# KiCad board coils_12_35_10_8_layer.kicad_pcb (continued)
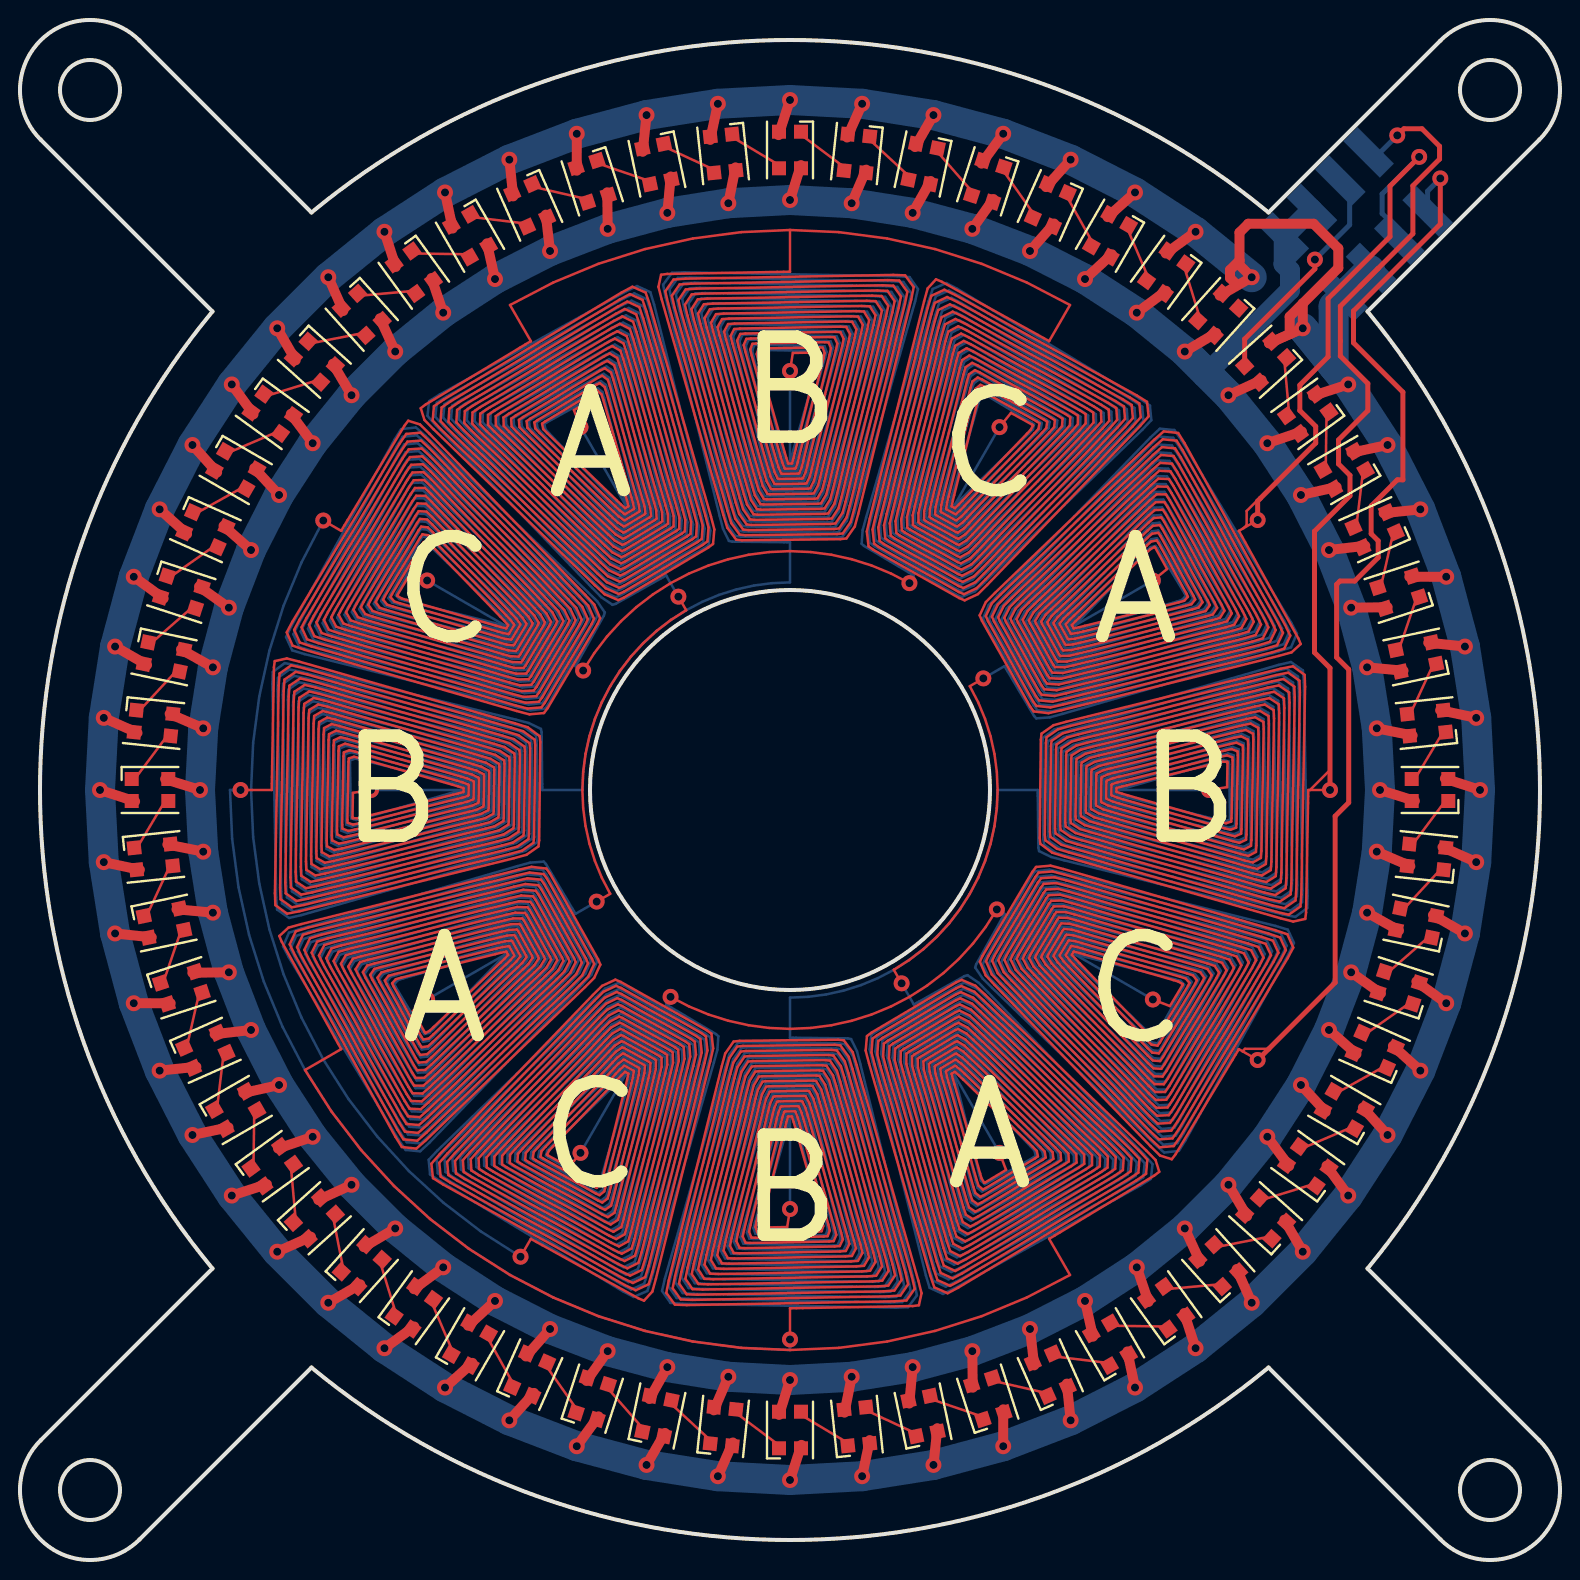
[diagram p0: board, top side]
## Routing (per net, layer and track width the routed paths; a pad name or vN(x,y) marks a point on that pad's centre or on a via; arc(x,y) is an arc through that point) (continued)
  In1.Cu w0.127: v1(48.98,56.64) 46.73,52.75 46.73,52.74 46.74,52.75 46.93,52.93 47.12,53.12 50.45,56.34 50.64,56.53 50.7,56.79 50.58,56.87 48.34,58.22 48.2,58.29 48.01,58.1 47.92,57.84 46.58,53.18 46.5,52.91 46.44,52.64 46.45,52.61 46.74,52.44 46.77,52.44 46.98,52.63 47.2,52.84 50.83,56.35 51.04,56.56 51.09,56.85 50.94,56.95 48.24,58.58 48.08,58.66 47.85,58.47 47.75,58.18 46.29,53.11 46.21,52.81 46.16,52.51 46.18,52.48 46.74,52.15 46.79,52.14 47.04,52.33 47.27,52.55 51.21,56.36 51.43,56.59 51.48,56.91 51.3,57.03 48.14,58.94 47.95,59.03 47.69,58.83 47.59,58.52 46.01,53.04 45.92,52.72 45.87,52.38 45.92,52.34 46.75,51.85 46.81,51.83 47.09,52.03 47.34,52.27 51.59,56.38 51.83,56.62 51.86,56.97 51.66,57.11 48.04,59.29 47.83,59.4 47.53,59.19 47.42,58.86 45.72,52.97 45.63,52.62 45.59,52.26 45.65,52.2 46.75,51.55 46.83,51.52 47.15,51.73 47.42,51.99 51.97,56.39 52.22,56.65 52.25,57.04 52.02,57.19 47.95,59.65 47.7,59.77 47.37,59.56 47.25,59.2 45.44,52.9 45.33,52.53 45.31,52.13 45.39,52.06 46.76,51.25 46.85,51.22 47.2,51.43 47.49,51.71 52.35,56.4 52.62,56.69 52.63,57.1 52.38,57.27 47.85,60 47.58,60.14 47.22,59.92 47.09,59.54 45.15,52.83 45.04,52.43 45.03,52 45.12,51.93 46.76,50.95 46.88,50.91 47.25,51.13 47.56,51.42 52.72,56.41 53.01,56.72 53.02,57.16 52.74,57.35 47.75,60.36 47.45,60.51 47.06,60.28 46.92,59.88 44.87,52.76 44.75,52.34 44.75,51.88 44.85,51.79 46.77,50.65 46.9,50.6 47.31,50.83 47.64,51.14 53.1,56.43 53.41,56.75 53.41,57.22 53.1,57.43 47.65,60.71 47.32,60.88 46.9,60.65 46.76,60.22 44.58,52.69 44.46,52.24 44.46,51.75 44.59,51.65 46.77,50.35 46.92,50.3 47.36,50.53 47.71,50.86 53.48,56.44 53.8,56.78 53.79,57.29 53.46,57.51 47.55,61.07 47.2,61.25 46.74,61.01 46.59,60.56 44.3,52.62 44.17,52.15 44.18,51.63 44.32,51.52 46.78,50.06 46.94,49.99 47.42,50.23 47.78,50.57 53.86,56.45 54.2,56.81 54.18,57.35 53.82,57.59 47.45,61.42 47.07,61.62 46.58,61.37 46.42,60.9 44.01,52.55 43.88,52.05 43.9,51.5 44.05,51.38 46.79,49.76 46.97,49.68 47.47,49.93 47.85,50.29 54.24,56.46 54.59,56.84 54.57,57.41 54.18,57.67 47.36,61.78 46.95,61.99 46.43,61.74 46.26,61.24 43.73,52.48 43.59,51.96 43.62,51.37 43.79,51.24 46.79,49.46 46.99,49.37 47.53,49.64 47.93,50.01 54.62,56.48 54.99,56.87 54.95,57.47 54.55,57.75 47.26,62.14 46.82,62.37 46.27,62.1 46.09,61.58 43.45,52.41 43.3,51.86 43.34,51.25 43.52,51.1 46.8,49.16 47.01,49.07 47.58,49.34 48,49.73 54.99,56.49 55.38,56.9 55.34,57.53 54.91,57.83 47.16,62.49 46.7,62.74 46.11,62.46 45.93,61.92 43.16,52.34 43.01,51.77 43.05,51.12 43.25,50.97 46.8,48.86 47.03,48.76 47.63,49.04 48.07,49.44 55.37,56.5 55.78,56.93 55.72,57.6 55.27,57.91 47.06,62.85 46.57,63.11 45.95,62.83 45.76,62.26 42.88,52.27 42.72,51.67 42.77,50.99 42.99,50.83 46.81,48.56 47.05,48.45 47.69,48.74 48.15,49.16 55.75,56.51 56.17,56.96 56.11,57.66 55.63,57.99 46.96,63.2 46.44,63.48 45.8,63.19 45.59,62.6 42.59,52.2 42.43,51.58 42.49,50.87 42.72,50.69 46.81,48.27 47.08,48.15 47.74,48.44 48.22,48.88 56.13,56.53 56.56,56.99 56.5,57.72 55.99,58.07 46.86,63.56 46.32,63.85 45.64,63.55 45.43,62.94 42.31,52.13 42.13,51.49 42.08,50.81 42.2,50.7 44.69,49.23 v1(44.47,48.84) ; v1(48.17,44.08) 49.23,44.69 50.7,42.2 50.81,42.08 51.49,42.13 52.13,42.31 62.94,45.43 63.55,45.64 63.85,46.32 63.56,46.86 58.07,55.99 57.72,56.5 56.99,56.56 56.53,56.13 48.88,48.22 48.44,47.74 48.15,47.08 48.27,46.81 50.69,42.72 50.87,42.49 51.58,42.43 52.2,42.59 62.6,45.59 63.19,45.8 63.48,46.44 63.2,46.96 57.99,55.63 57.66,56.11 56.96,56.17 56.51,55.75 49.16,48.15 48.74,47.69 48.45,47.05 48.56,46.81 50.83,42.99 50.99,42.77 51.67,42.72 52.27,42.88 62.26,45.76 62.83,45.95 63.11,46.57 62.85,47.06 57.91,55.27 57.6,55.72 56.93,55.78 56.5,55.37 49.44,48.07 49.04,47.63 48.76,47.03 48.86,46.8 50.97,43.25 51.12,43.05 51.77,43.01 52.34,43.16 61.92,45.93 62.46,46.11 62.74,46.7 62.49,47.16 57.83,54.91 57.53,55.34 56.9,55.38 56.49,54.99 49.73,48 49.34,47.58 49.07,47.01 49.16,46.8 51.1,43.52 51.25,43.34 51.86,43.3 52.41,43.45 61.58,46.09 62.1,46.27 62.37,46.82 62.14,47.26 57.75,54.55 57.47,54.95 56.87,54.99 56.48,54.62 50.01,47.93 49.64,47.53 49.37,46.99 49.46,46.79 51.24,43.79 51.37,43.62 51.96,43.59 52.48,43.73 61.24,46.26 61.74,46.43 61.99,46.95 61.78,47.36 57.67,54.18 57.41,54.57 56.84,54.59 56.46,54.24 50.29,47.85 49.93,47.47 49.68,46.97 49.76,46.79 51.38,44.05 51.5,43.9 52.05,43.88 52.55,44.01 60.9,46.42 61.37,46.58 61.62,47.07 61.42,47.45 57.59,53.82 57.35,54.18 56.81,54.2 56.45,53.86 50.57,47.78 50.23,47.42 49.99,46.94 50.06,46.78 51.52,44.32 51.63,44.18 52.15,44.17 52.62,44.3 60.56,46.59 61.01,46.74 61.25,47.2 61.07,47.55 57.51,53.46 57.29,53.79 56.78,53.8 56.44,53.48 50.86,47.71 50.53,47.36 50.3,46.92 50.35,46.77 51.65,44.59 51.75,44.46 52.24,44.46 52.69,44.58 60.22,46.76 60.65,46.9 60.88,47.32 60.71,47.65 57.43,53.1 57.22,53.41 56.75,53.41 56.43,53.1 51.14,47.64 50.83,47.31 50.6,46.9 50.65,46.77 51.79,44.85 51.88,44.75 52.34,44.75 52.76,44.87 59.88,46.92 60.28,47.06 60.51,47.45 60.36,47.75 57.35,52.74 57.16,53.02 56.72,53.01 56.41,52.72 51.42,47.56 51.13,47.25 50.91,46.88 50.95,46.76 51.93,45.12 52,45.03 52.43,45.04 52.83,45.15 59.54,47.09 59.92,47.22 60.14,47.58 60,47.85 57.27,52.38 57.1,52.63 56.69,52.62 56.4,52.35 51.71,47.49 51.43,47.2 51.22,46.85 51.25,46.76 52.06,45.39 52.13,45.31 52.53,45.33 52.9,45.44 59.2,47.25 59.56,47.37 59.77,47.7 59.65,47.95 57.19,52.02 57.04,52.25 56.65,52.22 56.39,51.97 51.99,47.42 51.73,47.15 51.52,46.83 51.55,46.75 52.2,45.65 52.26,45.59 52.62,45.63 52.97,45.72 58.86,47.42 59.19,47.53 59.4,47.83 59.29,48.04 57.11,51.66 56.97,51.86 56.62,51.83 56.38,51.59 52.27,47.34 52.03,47.09 51.83,46.81 51.85,46.75 52.34,45.92 52.38,45.87 52.72,45.92 53.04,46.01 58.52,47.59 58.83,47.69 59.03,47.95 58.94,48.14 57.03,51.3 56.91,51.48 56.59,51.43 56.36,51.21 52.55,47.27 52.33,47.04 52.14,46.79 52.15,46.74 52.48,46.18 52.51,46.16 52.81,46.21 53.11,46.29 58.18,47.75 58.47,47.85 58.66,48.08 58.58,48.24 56.95,50.94 56.85,51.09 56.56,51.04 56.35,50.83 52.84,47.2 52.63,46.98 52.44,46.77 52.44,46.74 52.61,46.45 52.64,46.44 52.91,46.5 53.18,46.58 57.84,47.92 58.1,48.01 58.29,48.2 58.22,48.34 56.87,50.58 56.79,50.7 56.53,50.64 56.34,50.45 53.12,47.12 52.93,46.93 52.75,46.74 52.74,46.73 52.75,46.73 v1(56.64,48.98) ; v1(48.84,32.53) 49.23,32.31 47.81,29.78 47.76,29.63 48.14,29.07 48.61,28.6 56.72,20.8 57.21,20.37 57.94,20.46 58.27,20.98 63.43,30.3 63.7,30.85 63.39,31.52 62.78,31.7 52.11,34.37 51.47,34.52 50.75,34.43 50.58,34.2 48.25,30.05 48.14,29.78 48.44,29.14 48.89,28.68 56.69,21.18 57.16,20.77 57.87,20.84 58.18,21.34 63.08,30.19 63.33,30.71 63.03,31.35 62.45,31.52 52.18,34.09 51.58,34.23 50.88,34.16 50.73,33.94 48.55,30.07 48.45,29.82 48.74,29.2 49.17,28.77 56.66,21.56 57.12,21.16 57.79,21.22 58.09,21.69 62.72,30.07 62.97,30.57 62.68,31.18 62.11,31.35 52.26,33.81 51.68,33.94 51.02,33.88 50.87,33.68 48.85,30.08 48.75,29.85 49.04,29.26 49.45,28.85 56.64,21.93 57.07,21.55 57.72,21.61 57.99,22.05 62.37,29.96 62.6,30.43 62.32,31.01 61.78,31.17 52.34,33.53 51.78,33.66 51.15,33.6 51.01,33.42 49.15,30.09 49.06,29.88 49.34,29.33 49.74,28.93 56.61,22.31 57.03,21.95 57.64,21.99 57.9,22.41 62.02,29.85 62.23,30.3 61.96,30.83 61.44,30.99 52.42,33.25 51.88,33.37 51.29,33.33 51.16,33.15 49.45,30.11 49.37,29.91 49.64,29.39 50.02,29.01 56.59,22.69 56.98,22.34 57.56,22.38 57.81,22.77 61.67,29.74 61.87,30.16 61.6,30.66 61.11,30.81 52.5,32.97 51.99,33.08 51.42,33.05 51.3,32.89 49.75,30.12 49.68,29.94 49.94,29.45 50.3,29.09 56.56,23.07 56.94,22.73 57.49,22.76 57.72,23.12 61.32,29.63 61.5,30.02 61.25,30.49 60.78,30.63 52.58,32.68 52.09,32.8 51.56,32.77 51.45,32.63 50.05,30.14 49.98,29.97 50.24,29.52 50.58,29.17 56.53,23.44 56.89,23.13 57.41,23.14 57.62,23.48 60.97,29.52 61.14,29.88 60.89,30.32 60.44,30.45 52.65,32.4 52.19,32.51 51.69,32.49 51.59,32.37 50.35,30.15 50.29,30.01 50.54,29.58 50.86,29.25 56.51,23.82 56.85,23.52 57.33,23.53 57.53,23.84 60.61,29.41 60.77,29.74 60.53,30.15 60.11,30.28 52.73,32.12 52.3,32.22 51.82,32.22 51.74,32.11 50.65,30.17 50.6,30.04 50.83,29.64 51.14,29.34 56.48,24.2 56.8,23.91 57.26,23.91 57.44,24.2 60.26,29.3 60.41,29.6 60.18,29.98 59.78,30.1 52.81,31.84 52.4,31.94 51.96,31.94 51.88,31.85 50.95,30.18 50.91,30.07 51.13,29.71 51.43,29.42 56.46,24.58 56.76,24.31 57.18,24.3 57.35,24.55 59.91,29.18 60.04,29.46 59.82,29.81 59.44,29.92 52.89,31.56 52.5,31.65 52.09,31.66 52.03,31.59 51.24,30.2 51.21,30.1 51.43,29.77 51.71,29.5 56.43,24.95 56.71,24.7 57.1,24.68 57.25,24.91 59.56,29.07 59.67,29.32 59.46,29.64 59.11,29.74 52.97,31.28 52.6,31.36 52.23,31.39 52.17,31.33 51.54,30.21 51.52,30.13 51.73,29.83 51.99,29.58 56.4,25.33 56.67,25.09 57.03,25.06 57.16,25.27 59.21,28.96 59.31,29.18 59.1,29.47 58.77,29.56 53.04,31 52.71,31.08 52.36,31.11 52.32,31.07 51.84,30.22 51.83,30.16 52.03,29.9 52.27,29.66 56.38,25.71 56.62,25.49 56.95,25.45 57.07,25.62 58.85,28.85 58.94,29.04 58.75,29.3 58.44,29.38 53.12,30.71 52.81,30.79 52.5,30.83 52.46,30.8 52.14,30.24 52.14,30.19 52.33,29.96 52.55,29.74 56.35,26.09 56.58,25.88 56.88,25.83 56.98,25.98 58.5,28.74 58.58,28.9 58.39,29.13 58.11,29.21 53.2,30.43 52.91,30.5 52.63,30.56 52.61,30.54 52.44,30.25 52.44,30.23 52.63,30.02 52.83,29.83 56.33,26.46 56.53,26.27 56.8,26.21 56.88,26.34 58.15,28.63 58.21,28.77 58.03,28.96 57.77,29.03 53.28,30.15 53.01,30.22 52.76,30.28 52.75,30.28 52.75,30.28 v1(56.64,28.03) ; v1(28.03,20.36) 30.27,24.25 30.27,24.26 30.26,24.25 30.07,24.07 29.88,23.88 26.55,20.66 26.36,20.47 26.3,20.21 26.42,20.13 28.66,18.78 28.8,18.71 28.99,18.9 29.08,19.16 30.42,23.82 30.5,24.09 30.56,24.36 30.55,24.39 30.26,24.56 30.23,24.56 30.02,24.37 29.8,24.16 26.17,20.65 25.96,20.44 25.91,20.15 26.06,20.05 28.76,18.42 28.92,18.34 29.15,18.53 29.25,18.82 30.71,23.89 30.79,24.19 30.84,24.49 30.82,24.52 30.26,24.85 30.21,24.86 29.96,24.67 29.73,24.45 25.79,20.64 25.57,20.41 25.52,20.09 25.7,19.97 28.86,18.06 29.05,17.97 29.31,18.17 29.41,18.48 30.99,23.96 31.08,24.28 31.13,24.62 31.08,24.66 30.25,25.15 30.19,25.17 29.91,24.97 29.66,24.73 25.41,20.62 25.17,20.38 25.14,20.03 25.34,19.89 28.96,17.71 29.17,17.6 29.47,17.81 29.58,18.14 31.28,24.03 31.37,24.38 31.41,24.74 31.35,24.8 30.25,25.45 30.17,25.48 29.85,25.27 29.58,25.01 25.03,20.61 24.78,20.35 24.75,19.96 24.98,19.81 29.05,17.35 29.3,17.23 29.63,17.44 29.75,17.8 31.56,24.1 31.67,24.47 31.69,24.87 31.61,24.94 30.24,25.75 30.15,25.78 29.8,25.57 29.51,25.29 24.65,20.6 24.38,20.31 24.37,19.9 24.62,19.73 29.15,17 29.42,16.86 29.78,17.08 29.91,17.46 31.85,24.17 31.96,24.57 31.97,25 31.88,25.07 30.24,26.05 30.12,26.09 29.75,25.87 29.44,25.58 24.28,20.59 23.99,20.28 23.98,19.84 24.26,19.65 29.25,16.64 29.55,16.49 29.94,16.72 30.08,17.12 32.13,24.24 32.25,24.66 32.25,25.12 32.15,25.21 30.23,26.35 30.1,26.4 29.69,26.17 29.36,25.86 23.9,20.57 23.59,20.25 23.59,19.78 23.9,19.57 29.35,16.29 29.68,16.12 30.1,16.35 30.24,16.78 32.42,24.31 32.54,24.76 32.54,25.25 32.41,25.35 30.23,26.65 30.08,26.7 29.64,26.47 29.29,26.14 23.52,20.56 23.2,20.22 23.21,19.71 23.54,19.49 29.45,15.93 29.8,15.75 30.26,15.99 30.41,16.44 32.7,24.38 32.83,24.85 32.82,25.37 32.68,25.48 30.22,26.94 30.06,27.01 29.58,26.77 29.22,26.43 23.14,20.55 22.8,20.19 22.82,19.65 23.18,19.41 29.55,15.58 29.93,15.38 30.42,15.63 30.58,16.1 32.99,24.45 33.12,24.95 33.1,25.5 32.95,25.62 30.21,27.24 30.03,27.32 29.53,27.07 29.15,26.71 22.76,20.54 22.41,20.16 22.43,19.59 22.82,19.33 29.64,15.22 30.05,15.01 30.57,15.26 30.74,15.76 33.27,24.52 33.41,25.04 33.38,25.63 33.21,25.76 30.21,27.54 30.01,27.63 29.47,27.36 29.07,26.99 22.38,20.52 22.01,20.13 22.05,19.53 22.45,19.25 29.74,14.86 30.18,14.63 30.73,14.9 30.91,15.42 33.55,24.59 33.7,25.14 33.66,25.75 33.48,25.9 30.2,27.84 29.99,27.93 29.42,27.66 29,27.27 22.01,20.51 21.62,20.1 21.66,19.47 22.09,19.17 29.84,14.51 30.3,14.26 30.89,14.54 31.07,15.08 33.84,24.66 33.99,25.23 33.95,25.88 33.75,26.03 30.2,28.14 29.97,28.24 29.37,27.96 28.93,27.56 21.63,20.5 21.22,20.07 21.28,19.4 21.73,19.09 29.94,14.15 30.43,13.89 31.05,14.17 31.24,14.74 34.12,24.73 34.28,25.33 34.23,26.01 34.01,26.17 30.19,28.44 29.95,28.55 29.31,28.26 28.85,27.84 21.25,20.49 20.83,20.04 20.89,19.34 21.37,19.01 30.04,13.8 30.56,13.52 31.2,13.81 31.41,14.4 34.41,24.8 34.57,25.42 34.51,26.13 34.28,26.31 30.19,28.73 29.92,28.85 29.26,28.56 28.78,28.12 20.87,20.47 20.44,20.01 20.5,19.28 21.01,18.93 30.14,13.44 30.68,13.15 31.36,13.45 31.57,14.06 34.69,24.87 34.87,25.51 34.92,26.19 34.8,26.3 32.31,27.77 v1(32.53,28.16) ; v1(28.02,56.64) 30.28,52.75 30.28,52.75 30.28,52.76 30.22,53.01 30.15,53.28 29.03,57.77 28.96,58.03 28.77,58.21 28.63,58.15 26.34,56.88 26.21,56.8 26.27,56.53 26.46,56.33 29.83,52.83 30.02,52.63 30.23,52.44 30.25,52.44 30.54,52.61 30.56,52.63 30.5,52.91 30.43,53.2 29.21,58.11 29.13,58.39 28.9,58.58 28.74,58.5 25.98,56.98 25.83,56.88 25.88,56.58 26.09,56.35 29.74,52.55 29.96,52.33 30.19,52.14 30.24,52.14 30.8,52.46 30.83,52.5 30.79,52.81 30.71,53.12 29.38,58.44 29.3,58.75 29.04,58.94 28.85,58.85 25.62,57.07 25.45,56.95 25.49,56.62 25.71,56.38 29.66,52.27 29.9,52.03 30.16,51.83 30.22,51.84 31.07,52.32 31.11,52.36 31.08,52.71 31,53.04 29.56,58.77 29.47,59.1 29.18,59.31 28.96,59.21 25.27,57.16 25.06,57.03 25.09,56.67 25.33,56.4 29.58,51.99 29.83,51.73 30.13,51.52 30.21,51.54 31.33,52.17 31.39,52.23 31.36,52.6 31.28,52.97 29.74,59.11 29.64,59.46 29.32,59.67 29.07,59.56 24.91,57.25 24.68,57.1 24.7,56.71 24.95,56.43 29.5,51.71 29.77,51.43 30.1,51.21 30.2,51.24 31.59,52.03 31.66,52.09 31.65,52.5 31.56,52.89 29.92,59.44 29.81,59.82 29.46,60.04 29.18,59.91 24.55,57.35 24.3,57.18 24.31,56.76 24.58,56.46 29.42,51.43 29.71,51.13 30.07,50.91 30.18,50.95 31.85,51.88 31.94,51.96 31.94,52.4 31.84,52.81 30.1,59.78 29.98,60.18 29.6,60.41 29.3,60.26 24.2,57.44 23.91,57.26 23.91,56.8 24.2,56.48 29.34,51.14 29.64,50.83 30.04,50.6 30.17,50.65 32.11,51.74 32.22,51.82 32.22,52.3 32.12,52.73 30.28,60.11 30.15,60.53 29.74,60.77 29.41,60.61 23.84,57.53 23.53,57.33 23.52,56.85 23.82,56.51 29.25,50.86 29.58,50.54 30.01,50.29 30.15,50.35 32.37,51.59 32.49,51.69 32.51,52.19 32.4,52.65 30.45,60.44 30.32,60.89 29.88,61.14 29.52,60.97 23.48,57.62 23.14,57.41 23.13,56.89 23.44,56.53 29.17,50.58 29.52,50.24 29.97,49.98 30.14,50.05 32.63,51.45 32.77,51.56 32.8,52.09 32.68,52.58 30.63,60.78 30.49,61.25 30.02,61.5 29.63,61.32 23.12,57.72 22.76,57.49 22.73,56.94 23.07,56.56 29.09,50.3 29.45,49.94 29.94,49.68 30.12,49.75 32.89,51.3 33.05,51.42 33.08,51.99 32.97,52.5 30.81,61.11 30.66,61.6 30.16,61.87 29.74,61.67 22.77,57.81 22.38,57.56 22.34,56.98 22.69,56.59 29.01,50.02 29.39,49.64 29.91,49.37 30.11,49.45 33.15,51.16 33.33,51.29 33.37,51.88 33.25,52.42 30.99,61.44 30.83,61.96 30.3,62.23 29.85,62.02 22.41,57.9 21.99,57.64 21.95,57.03 22.31,56.61 28.93,49.74 29.33,49.34 29.88,49.06 30.09,49.15 33.42,51.01 33.6,51.15 33.66,51.78 33.53,52.34 31.17,61.78 31.01,62.32 30.43,62.6 29.96,62.37 22.05,57.99 21.61,57.72 21.55,57.07 21.93,56.64 28.85,49.45 29.26,49.04 29.85,48.75 30.08,48.85 33.68,50.87 33.88,51.02 33.94,51.68 33.81,52.26 31.35,62.11 31.18,62.68 30.57,62.97 30.07,62.72 21.69,58.09 21.22,57.79 21.16,57.12 21.56,56.66 28.77,49.17 29.2,48.74 29.82,48.45 30.07,48.55 33.94,50.73 34.16,50.88 34.23,51.58 34.09,52.18 31.52,62.45 31.35,63.03 30.71,63.33 30.19,63.08 21.34,58.18 20.84,57.87 20.77,57.16 21.18,56.69 28.68,48.89 29.14,48.44 29.78,48.14 30.05,48.25 34.2,50.58 34.43,50.75 34.52,51.47 34.37,52.11 31.7,62.78 31.52,63.39 30.85,63.7 30.3,63.43 20.98,58.27 20.46,57.94 20.37,57.21 20.8,56.72 28.6,48.61 29.07,48.14 29.63,47.76 29.78,47.81 32.31,49.23 v1(32.92,48.17) ; v1(20.36,48.98) 24.25,46.72 24.25,46.72 24.24,46.72 23.99,46.78 23.72,46.85 19.23,47.97 18.97,48.04 18.79,48.23 18.85,48.37 20.12,50.66 20.2,50.79 20.47,50.73 20.67,50.54 24.17,47.17 24.37,46.98 24.56,46.77 24.56,46.75 24.39,46.46 24.37,46.44 24.09,46.5 23.8,46.57 18.89,47.79 18.61,47.87 18.42,48.1 18.5,48.26 20.02,51.02 20.12,51.17 20.42,51.12 20.65,50.91 24.45,47.26 24.67,47.04 24.86,46.81 24.86,46.76 24.54,46.2 24.5,46.17 24.19,46.21 23.88,46.29 18.56,47.62 18.25,47.7 18.06,47.96 18.15,48.15 19.93,51.38 20.05,51.55 20.38,51.51 20.62,51.29 24.73,47.34 24.97,47.1 25.17,46.84 25.16,46.78 24.68,45.93 24.64,45.89 24.29,45.92 23.96,46 18.23,47.44 17.9,47.53 17.69,47.82 17.79,48.04 19.84,51.73 19.97,51.94 20.33,51.91 20.6,51.67 25.01,47.42 25.27,47.17 25.48,46.87 25.46,46.79 24.83,45.67 24.77,45.61 24.4,45.64 24.03,45.72 17.89,47.26 17.54,47.36 17.33,47.68 17.44,47.93 19.75,52.09 19.9,52.32 20.29,52.3 20.57,52.05 25.29,47.5 25.57,47.23 25.79,46.9 25.76,46.8 24.97,45.41 24.91,45.34 24.5,45.35 24.11,45.44 17.56,47.08 17.18,47.19 16.96,47.54 17.09,47.82 19.65,52.45 19.82,52.7 20.24,52.69 20.54,52.42 25.57,47.58 25.87,47.29 26.09,46.93 26.05,46.82 25.12,45.15 25.04,45.06 24.6,45.06 24.19,45.16 17.22,46.9 16.82,47.02 16.59,47.4 16.74,47.7 19.56,52.8 19.74,53.09 20.2,53.09 20.52,52.8 25.86,47.66 26.17,47.36 26.4,46.96 26.35,46.83 25.26,44.89 25.18,44.78 24.7,44.78 24.27,44.88 16.89,46.72 16.47,46.85 16.23,47.26 16.39,47.59 19.47,53.16 19.67,53.47 20.15,53.48 20.49,53.18 26.14,47.75 26.46,47.42 26.71,46.99 26.65,46.85 25.41,44.63 25.31,44.51 24.81,44.49 24.35,44.6 16.56,46.55 16.11,46.68 15.86,47.12 16.03,47.48 19.38,53.52 19.59,53.86 20.11,53.87 20.47,53.56 26.42,47.83 26.76,47.48 27.02,47.03 26.95,46.86 25.55,44.37 25.44,44.23 24.91,44.2 24.42,44.32 16.22,46.37 15.75,46.51 15.5,46.98 15.68,47.37 19.28,53.88 19.51,54.24 20.06,54.27 20.44,53.93 26.7,47.91 27.06,47.55 27.32,47.06 27.25,46.88 25.7,44.11 25.58,43.95 25.01,43.92 24.5,44.03 15.89,46.19 15.4,46.34 15.13,46.84 15.33,47.26 19.19,54.23 19.44,54.62 20.02,54.66 20.41,54.31 26.98,47.99 27.36,47.61 27.63,47.09 27.55,46.89 25.84,43.85 25.71,43.67 25.12,43.63 24.58,43.75 15.56,46.01 15.04,46.17 14.77,46.7 14.98,47.15 19.1,54.59 19.36,55.01 19.97,55.05 20.39,54.69 27.26,48.07 27.66,47.67 27.94,47.12 27.85,46.91 25.99,43.58 25.85,43.4 25.22,43.34 24.66,43.47 15.22,45.83 14.68,45.99 14.4,46.57 14.63,47.04 19.01,54.95 19.28,55.39 19.93,55.45 20.36,55.07 27.55,48.15 27.96,47.74 28.25,47.15 28.15,46.92 26.13,43.32 25.98,43.12 25.32,43.06 24.74,43.19 14.89,45.65 14.32,45.82 14.03,46.43 14.28,46.93 18.91,55.31 19.21,55.78 19.88,55.84 20.34,55.44 27.83,48.23 28.26,47.8 28.55,47.18 28.45,46.93 26.27,43.06 26.12,42.84 25.42,42.77 24.82,42.91 14.55,45.48 13.97,45.65 13.67,46.29 13.92,46.81 18.82,55.66 19.13,56.16 19.84,56.23 20.31,55.82 28.11,48.32 28.56,47.86 28.86,47.22 28.75,46.95 26.42,42.8 26.25,42.57 25.53,42.48 24.89,42.63 14.22,45.3 13.61,45.48 13.3,46.15 13.57,46.7 18.73,56.02 19.06,56.54 19.79,56.63 20.28,56.2 28.39,48.4 28.86,47.93 29.24,47.37 29.19,47.22 27.77,44.69 v1(28.16,44.47) ; v1(11.03,38.5) 10.5,38.5 10.61,36.06 10.93,33.64 11.45,31.25 12.19,28.92 13.12,26.67 14.25,24.5 15.56,22.44 17.05,20.5 18.7,18.7 20.5,17.05 22.44,15.56 24.5,14.25 26.67,13.12 28.92,12.19 31.25,11.45 33.64,10.93 36.06,10.61 38.5,10.5 v1(38.5,11.03) ; v1(38.5,59.45) 38.5,54.95 38.51,54.95 38.51,54.96 38.58,55.21 38.66,55.47 39.93,59.93 40,60.19 39.93,60.44 39.78,60.45 37.16,60.5 37.01,60.49 36.93,60.23 36.99,59.96 38.15,55.25 38.22,54.97 38.31,54.71 38.33,54.7 38.66,54.69 38.69,54.71 38.78,54.98 38.86,55.26 40.25,60.13 40.33,60.41 40.23,60.68 40.05,60.7 36.9,60.76 36.72,60.75 36.61,60.47 36.68,60.17 37.94,55.05 38.02,54.75 38.13,54.46 38.17,54.45 38.82,54.44 38.86,54.45 38.98,54.75 39.07,55.06 40.58,60.33 40.65,60.64 40.53,60.93 40.32,60.95 36.63,61.02 36.42,61.01 36.29,60.7 36.36,60.38 37.73,54.84 37.81,54.52 37.94,54.21 38.01,54.19 38.97,54.18 39.03,54.2 39.17,54.51 39.27,54.85 40.9,60.53 40.98,60.86 40.84,61.18 40.59,61.2 36.37,61.28 36.13,61.26 35.97,60.94 36.05,60.59 37.52,54.64 37.61,54.29 37.76,53.96 37.84,53.94 39.12,53.93 39.2,53.94 39.37,54.28 39.48,54.64 41.22,60.73 41.31,61.08 41.14,61.43 40.86,61.45 36.11,61.54 35.83,61.52 35.66,61.17 35.73,60.8 37.31,54.44 37.41,54.06 37.58,53.71 37.68,53.69 39.28,53.67 39.38,53.69 39.57,54.05 39.68,54.43 41.54,60.93 41.63,61.31 41.44,61.67 41.14,61.7 35.84,61.8 35.54,61.78 35.34,61.41 35.42,61.01 37.1,54.23 37.2,53.84 37.4,53.46 37.52,53.44 39.43,53.42 39.55,53.44 39.77,53.82 39.89,54.22 41.86,61.13 41.96,61.53 41.75,61.92 41.41,61.95 35.58,62.05 